# Altium PCB Pi4GPU_v1.PcbDoc (part 2 of 4)
Units mm, origin at the board's own origin, x right, y up, seen from the top; angles counter-clockwise.
Board outline 161.8 x 100 mm, 4 copper layers (L1 [TOP], L2, L3, L4 [BOT]), stack 1.548 mm thick; 285 components, 169 nets, 1067 pads, 1076 vias.
Unrouted connection lines stored in the file: 241.
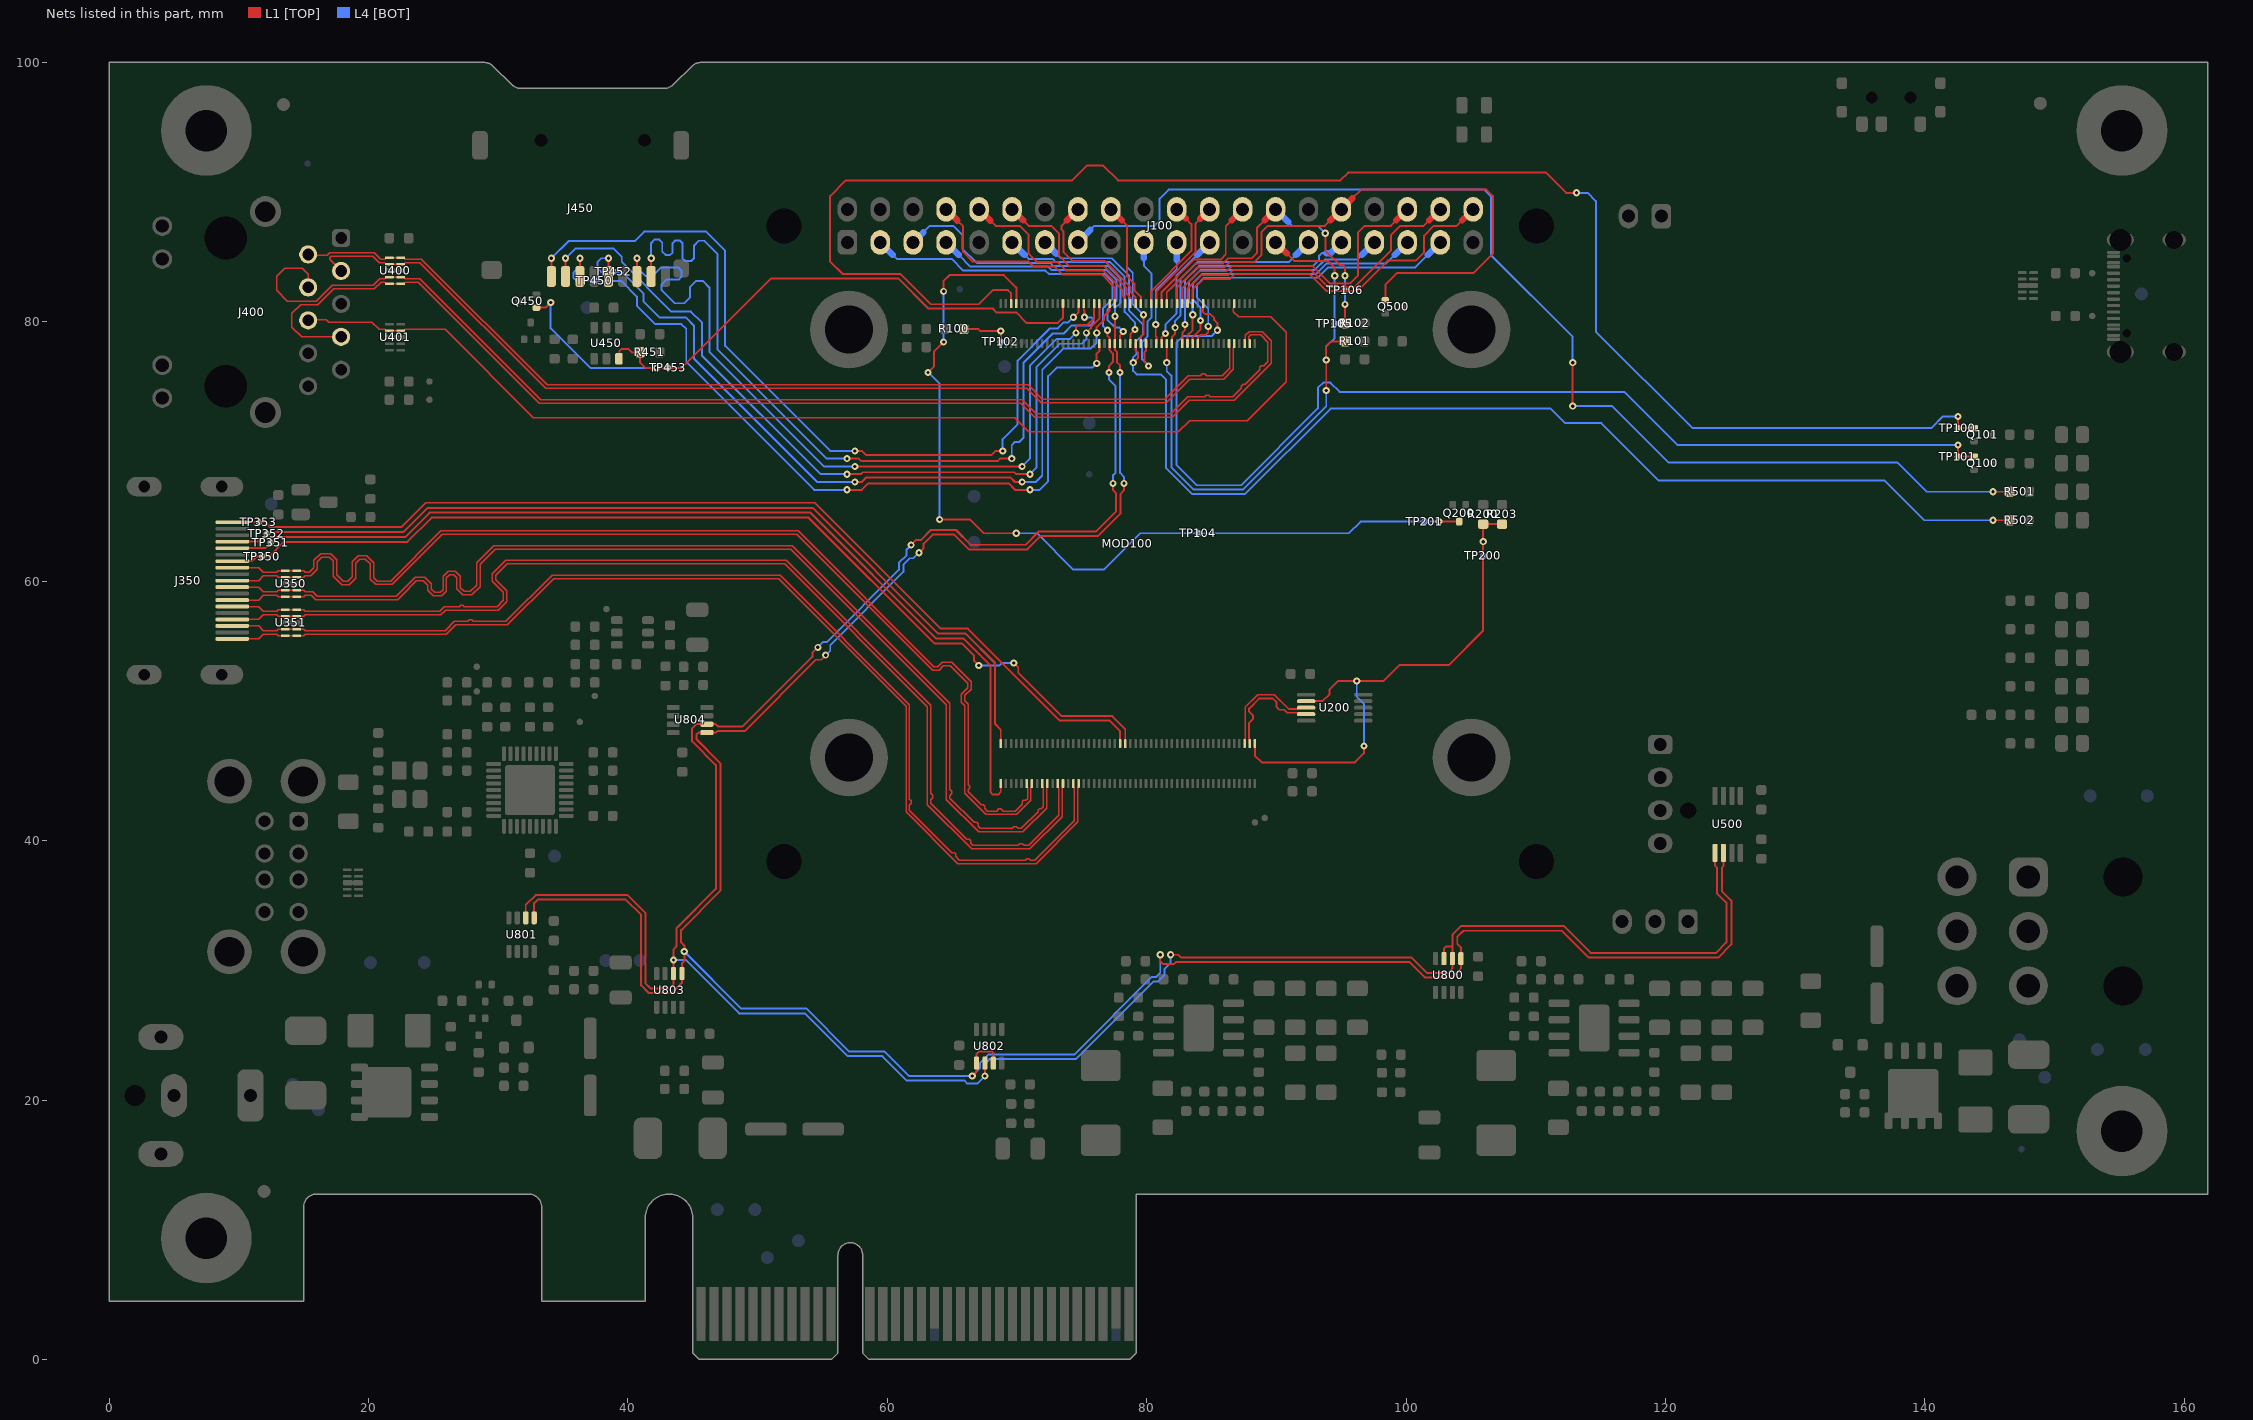
[diagram p4: the nets of this part, all layers, seen from the top]

## Part data
C100 C264 C265 C268: library part CAP-0018, "Capacitor; MLCC; DNP; TBD; TBD; TBD; DO NOT PLACE; SMD; 0603 (1608);", Package (Case)="0603 (1608)", Component Subtype=MLCC, Component Type=Capacitor, Manufacturer=DNP, Mounting Type=SMD, MPN=DNP, Supplier=?
C200 C257 C258 C259 C260 C262 C263 C350 C351 C400 C500 C700 C702 C750 C760 C766 C776 C802 C803 C806 C807 C809: library part CAP-0008, "Capacitor; MLCC; 100nF; TBD; TBD; TBD; TBD; SMD; 0603 (1608);", Manufacturer=TBD, Package (Case)="0603 (1608)", Component Subtype=MLCC, Component Type=Capacitor, Mounting Type=SMD, MPN=TBD, Supplier=?
C250 C252 C253 C254 C255 C256 C261 C450 C451 C755 C756 C757 C758 C771 C772 C773 C774: library part CAP-0023, "Capacitor; MLCC; GENERIC; TBD; TBD; TBD; TBD; SMD; 0603 (1608);", Manufacturer=GENERIC, Package (Case)="0603 (1608)", Component Subtype=MLCC, Component Type=Capacitor, Mounting Type=SMD, MPN=GENERIC, Supplier=?
C251 C703 C751 C752 C753 C759 C761 C762 C763 C767 C768 C769 C775 C777 C778 C779: library part CAP-0025, "Capacitor; MLCC; GENERIC; TBD; TBD; TBD; TBD; SMD; 1206 (3216);", Manufacturer=GENERIC, Package (Case)="1206 (3216)", Component Subtype=MLCC, Component Type=Capacitor, Mounting Type=SMD, MPN=GENERIC, Supplier=?
C266 C267: library part CAP-0020, "Capacitor; MLCC; 18pF; TBD; TBD; TBD; TBD; SMD; 0603 (1608);", Manufacturer=TBD, Package (Case)="0603 (1608)", Component Subtype=MLCC, Component Type=Capacitor, Mounting Type=SMD, MPN=TBD, Supplier=?
C701 C704 C705: library part CAP_POL_2P_NP, "Capacitor; Polarized;", Manufacturer=Panasonic, MPN=EEEFTE221XAP, Package (Case)="SMD SIZE D8", Component Subtype=Electrolytic, Component Type=Capacitor, Mounting Type=SMD
C754 C764 C765 C770 C780 C781 C800 C801 C804 C805 C808: library part CAP-0023, "Capacitor; MLCC; GENERIC; TBD; TBD; TBD; TBD; SMD; 0603 (1608);", Dielectric=TBD, Manufacturer=GENERIC, Package (Case)="0603 (1608)", Component Body=TBD, Component Height=TBD, Component Subtype=MLCC, Component Type=Capacitor, Features=TBD, ID=CAP-0023, Mounting Type=SMD, Operating Temperature=TBD, Packaging Type=TBD, ROHS Status=TBD, Tolerance=TBD, Voltage Rating=TBD
  C754 C764 C770 C780: Capacitance=DNP, MPN=GENERIC
  C765 C781: Capacitance=1.2nF, MPN=GENERIC
  C800 C801 C804 C805 C808: Capacitance=DNP, MPN=DNP
D700 D702: library part DIO_ZEN_A_K, "Diode; Zener;", Manufacturer="ON Semi", MPN=MMBZ5242BLT3G
D701 D703: library part DIO_TVS_UNI_KA, "Diode; Schottky; Unipolar;", Manufacturer=Littelfuse, Component Subtype="TVS Diode", Component Type=Diode, Mounting Type=SMD, MPN=SMAJ12A, Supplier=?
F250: library part FIL-0001, "Inductor; Ferrite Bead; 120 Ohm; 2000mA; TBD; TBD; TBD; SMD; 0603 (1608);", Manufacturer=TBD, Package (Case)="0603 (1608)", Component Subtype="Ferrite Bead", Component Type=Inductor, Mounting Type=SMD, MPN=TBD, Supplier=?
FID900 FID901 FID902 FID903 FID904 FID905: library part PCB_FID_RND, "PCB Marking; Fiducial; Round;", Component Subtype=-, Component Type=Fiducial, Mounting Type=-, Supplier=?
FUS700 FUS701 FUS702: library part FUS, "Fuse", Manufacturer="Bel Fuse", MPN=0679L9100-01
J100: library part CON_2X20_ROW, "Connector; 2 Row;", Manufacturer=GENERIC, Component Subtype="Pin Header", Component Type=Connector, Mounting Type=THT, MPN=GENERIC, Supplier=?
J101 J102: library part BOM_CON, "BOM list; Connector;", Manufacturer=Hirose, MPN=DF40HC(3.0)-100DS-0.4V, Package (Case)=SMD, Component Subtype=Microminiature, Component Type=Connector, Mounting Type=SMD, Supplier=?
J200: library part CON_USB_TYPE_C_16P, "Connector; USB 3.1 Type C; Receptacle; 24-pin; USB 2.0 Only;", Manufacturer="XKB Connectivity", Package (Case)=SMD, Component Subtype=USB-C, Component Type=Connector, Mounting Type=SMD, MPN=U262-161N-4BVC11, Supplier=?
J250: library part CON-0009, "Connector; USB Type A (Dual); 2 x 4 pins; TBD; TBD; TBD; TBD; THT; THT;", Manufacturer=TBD, Package (Case)=THT, Component Subtype="USB Type A (Dual)", Component Type=Connector, Mounting Type=THT, MPN=TBD, Supplier=?
J300: library part CON_PCIE_64P_VAR2, "Connector; PCIE, x4 (64pin)", Manufacturer=N/A, MPN=N/A
J350: library part CON_HDMI_1.4+_A2, "Connector; HDMI v1.4+;", Manufacturer=BOOMELE, MPN=HDMI-001, Package (Case)=SMD, Component Subtype="HDMI (Type A)", Component Type=Connector, Mounting Type=SMD, Supplier=?
J400: library part CON_HAN_HY911130A, "Connector; RJ45;", Manufacturer=HanRun, Component Subtype=RJ45, Component Type=Connector, Mounting Type=THT, MPN=HY911130A, Supplier=?
J450: library part CON_GCT_MEM2055, "Connector; MicroSD Card Connector;", Manufacturer=TF-015, Package (Case)=SMD, Component Subtype="MicroSD Card", Component Type="Card Socket", Mounting Type=SMD, MPN=TF-015, Supplier=?
J500: library part CON-0020, "Connector; Pin Header; 1 x 2 pins; 2.54mm; Male; TBD; TBD; THT; THT;", Manufacturer=GENERIC, Package (Case)=THT, Component Subtype="Pin Header", Component Type=Connector, Mounting Type=THT, MPN=GENERIC, Supplier=?
J501: library part CON_1X04_COL, "Connector; 1 Row;", Manufacturer=Molex, MPN=470531000, Package (Case)=THT, Component Subtype="Pin header", Component Type=Connector, Mounting Type=THT
J502: library part CON_1X03_COL, "Connector; 1 Row;", Manufacturer=GENERIC, Package (Case)=THT, Component Subtype="Pin Header", Component Type=Connector, Mounting Type=THT, MPN=GENERIC, Supplier=?
J700: library part CON_DC_A1_SH, "Connector; DC Barrel Jack;", Manufacturer="CUI Devices", MPN=PJ-063AH, Package (Case)=THT, Supplier Part Number 1=490-PJ-063AH, Component Subtype="DC Barrel Jack", Component Type=Connector, Mounting Type=THT, Supplier 1=Mouser
J701: library part CON_2X03_COL, "Connector; 2 Row;", Manufacturer=Molex, Package (Case)=THT, Supplier Part Number 1=538-39-30-1060, Component Subtype="Wire to Board", Component Type=Connector, Mounting Type=THT, MPN=039-30-1060, Supplier 1=Mouser
L750 L751: library part IND, "Inductor;", Manufacturer="Changjiang Microelectronics Tech", MPN=FXL0624-3R3-M, Package (Case)=SMD, Component Subtype="Power Inductor", Component Type=Inductor, Mounting Type=SMD, Supplier=?
LED100 LED500 LED700 LED701 LED702 LED703 LED750 LED751: library part DIO_LED_GRN, "Diode; LED; Green;", Manufacturer="Foshan NationStar Optoelectronics", MPN=NCD0805G1, Package (Case)="0805 (2012)", Component Subtype="LED Diode", Component Type=LED, Mounting Type=SMD, Supplier=LCSC
LED101 LED501: library part DIO_LED_RED, "Diode; LED; Red;", Manufacturer="Foshan NationStar Optoelectronics", MPN=NCD0805R1, Package (Case)="0805 (2012)", Component Subtype="LED Diode", Component Type=LED, Mounting Type=SMD, Supplier=LCSC
MECH900 MECH901 MECH902 MECH903: library part PCB_MECH_WRT_WA-SMSI, "PCB; Mechanical; SMT Steel Spacer; M2.5;", Manufacturer="Wurth Elektronik", MPN="977 403 015 1", Package (Case)=SMD, Component Subtype="SMD Spacer", Component Type="Spacer (Standoff)", Mounting Type=SMD, Supplier="Wurth Elektronik"
MH900 MH901 MH902 MH903 MH904 MH905 MH906 MH907: library part PCB_MECH_MH, "PCB Marking; Mounting hole;", Component Subtype=-, Component Type="Mounting Hole", Mounting Type=-, Supplier=?
MOD100: library part MOD_RPI_CM4_VAR2, "PCB Module; RPi Compute Module 4;", Manufacturer="Raspberry Pi Foundation", MPN="CM4 Module", Component Subtype="Raspberry Pi CM4", Component Type="PCB Module", Mounting Type=-, Supplier=?
Q100 Q101 Q451: library part TRA_BJT_PNP_DIG_ONS_DTA143ZE, "Transistor; BJT; PNP; Digital (Biased);", Manufacturer="On Semiconductor", MPN=DTA143ZET1G, Component Type=Transistor, Mounting Type=SMD
Q200 Q450 Q500 Q701 Q702: library part TRA_BJT_NPN_DIG_BEC, "Transistor; BJT; NPN; Digital;", Component Subtype="NPN Transistor", Component Type=Transistor, Mounting Type=SMD, MPN=DTC143ZE, Supplier=?
Q700 Q703: library part TRA_PMOS_SSSGDDDD_EP, "Transistor; PMOS;", Manufacturer=Vishay, MPN=SI7149ADP-T1-GE3, Package (Case)=PowerPAK-SO-8, Supplier Part Number 1=78-SI7149ADP-T1-GE3, Component Subtype=P-MOSFET, Component Type=Transistor, Mounting Type=SMD, Supplier 1=Mouser
R100 R258: library part RES-0026, "Resistor; Thick Film; 100R; 1%; 100mW; 100PPM; 75V; Standard; SMD; 0603 (1608);", Manufacturer="Yageo Corporation", MPN=TBD, Package (Case)="0603 (1608)", Component Subtype="Thick Film", Component Type=Resistor, Mounting Type=SMD, Supplier=?
R101 R102 R104 R106 R502: library part RES-0033, "Resistor; Thick Film; 2k2; 1%; 100mW; 100PPM; 75V; Standard; SMD; 0603 (1608);", Manufacturer="Yageo Corporation", MPN=TBD, Package (Case)="0603 (1608)", Component Subtype="Thick Film", Component Type=Resistor, Mounting Type=SMD, Supplier=?
R103 R203 R252 R253 R254 R255 R451: library part RES-0028, "Resistor; Thick Film; 10k; 1%; 100mW; 100PPM; 75V; Standard; SMD; 0603 (1608);", Manufacturer="Yageo Corporation", MPN=RC0603FR-0710KL, Package (Case)="0603 (1608)", Component Subtype="Thick Film", Component Type=Resistor, Mounting Type=SMD, Supplier=?
R105 R501 R703 R709 R751 R756 R758: library part RES-0043, "Resistor; Thick Film; 15k; 1%; 100mW; 100PPM; 75V; Standard; SMD; 0603 (1608);", Manufacturer="Yageo Corporation", MPN=TBD, Package (Case)="0603 (1608)", Component Subtype="Thick Film", Component Type=Resistor, Mounting Type=SMD, Supplier=?
R200: library part RES-0027, "Resistor; Thick Film; 1k; 1%; 100mW; 100PPM; 75V; Standard; SMD; 0603 (1608);", Manufacturer="Yageo Corporation", MPN=TBD, Package (Case)="0603 (1608)", Component Subtype="Thick Film", Component Type=Resistor, Mounting Type=SMD, Supplier=?
R201 R202 R704 R708: library part RES-0043, "Resistor; Thick Film; 5k1; 1%; 100mW; 100PPM; 75V; Standard; SMD; 0603 (1608);", Manufacturer="Yageo Corporation", MPN=TBD, Package (Case)="0603 (1608)", Component Subtype="Thick Film", Component Type=Resistor, Mounting Type=SMD, Supplier=?
R250 R300 R301 R350 R450 R452 R500 R503: library part RES-0054, "Resistor; Thick Film; GENERIC; TBD; TBD; TBD; TBD; TBD; SMD; 0603 (1608);", Manufacturer=GENERIC, Package (Case)="0603 (1608)", Component Subtype="Thick Film", Component Type=Resistor, Mounting Type=SMD, MPN=GENERIC, Supplier=?
R251: library part RES-0053, "Resistor; Thick Film; 12k; 1%; 100mW; 100PPM; 75V; Standard; SMD; 0603 (1608);", Manufacturer="Yageo Corporation", MPN=TBD, Package (Case)="0603 (1608)", Component Subtype="Thick Film", Component Type=Resistor, Mounting Type=SMD, Supplier=?
R256: library part RES-0050, "Resistor; Thick Film; 1M; 1%; 100mW; 100PPM; 75V; Standard; SMD; 0603 (1608);", Manufacturer="Yageo Corporation", MPN=TBD, Package (Case)="0603 (1608)", Component Subtype="Thick Film", Component Type=Resistor, Mounting Type=SMD, Supplier=?
R257: library part RES-0051, "Resistor; Thick Film; DNP; TBD; TBD; TBD; TBD; DO NOT PLACE; SMD; 0603 (1608);", Manufacturer=TBD, Package (Case)="0603 (1608)", Component Subtype="Thick Film", Component Type=Resistor, Mounting Type=SMD, MPN=TBD, Supplier=?
R400 R401: library part RES-0042, "Resistor; Thick Film; 470R; 1%; 100mW; 100PPM; 75V; Standard; SMD; 0603 (1608);", Manufacturer="Yageo Corporation", MPN=TBD, Package (Case)="0603 (1608)", Component Subtype="Thick Film", Component Type=Resistor, Mounting Type=SMD, Supplier=?
R700 R701 R702 R706 R707: library part RES-0029, "Resistor; Thick Film; 100k; 1%; 100mW; 100PPM; 75V; Standard; SMD; 0603 (1608);", Manufacturer="Yageo Corporation", MPN=TBD, Operating Temperature="-55°C to +155°C", Package (Case)="0603 (1608)", Power Rating=100mW, Tolerance=1%, Voltage Rating=75V, Component Body="1.60 x 0.80mm", Component Height=0.45mm, Component Subtype="Thick Film", Component Type=Resistor, Features=Standard, ID=RES-0029, Mounting Type=SMD, Packaging Type="Tape & Reel", Resistance=100k, ROHS Status="RoHS Compliant", TCR=100PPM
R705 R802 R803 R804 R805 R808 R809 R810 R811 R813 R814: library part RES-0052, "Resistor; Thick Film; 0R; 1%; TBD; TBD; TBD; Standard; SMD; 0603 (1608);", Manufacturer=TBD, Package (Case)="0603 (1608)", Tolerance=1%, Component Body="1.60 x 0.80mm", Component Height=0.45mm, Component Subtype="Thick Film", Component Type=Resistor, Features=Standard, ID=RES-0052, Mounting Type=SMD, MPN=TBD, Operating Temperature=TBD, Packaging Type=TBD, Power Rating=TBD, Resistance=0R, ROHS Status=TBD, TCR=TBD, Voltage Rating=TBD
R750 R755: library part RES-0025, "Resistor; Thick Film; 10R; 1%; 100mW; 100PPM; 75V; Standard; SMD; 0603 (1608);", Manufacturer="Yageo Corporation", MPN=TBD, Operating Temperature="-55°C to +155°C", Package (Case)="0603 (1608)", Power Rating=100mW, Tolerance=1%, Voltage Rating=75V, Component Body="1.60 x 0.80mm", Component Height=0.45mm, Component Subtype="Thick Film", Component Type=Resistor, Features=Standard, ID=RES-0025, Mounting Type=SMD, Packaging Type="Tape & Reel", Resistance=10R, ROHS Status="RoHS Compliant", TCR=100PPM
R752: library part RES-0044, "Resistor; Thick Film; 47k; 1%; 100mW; 100PPM; 75V; Standard; SMD; 0603 (1608);", Manufacturer="Yageo Corporation", MPN=RC0603FR-0747KL, Operating Temperature="-55°C to +155°C", Package (Case)="0603 (1608)", Power Rating=100mW, Tolerance=1%, Voltage Rating=75V, Component Body="1.60 x 0.80mm", Component Height=0.45mm, Component Subtype="Thick Film", Component Type=Resistor, Features=Standard, ID=RES-0044, Mounting Type=SMD, Packaging Type="Tape & Reel", Resistance=47k, ROHS Status="RoHS Compliant", TCR=100PPM
R753 R757: library part RES-0053, "Resistor; Thick Film; 12k; 1%; 100mW; 100PPM; 75V; Standard; SMD; 0603 (1608);", Manufacturer="Yageo Corporation", MPN=TBD, Operating Temperature="-55°C to +155°C", Package (Case)="0603 (1608)", Power Rating=100mW, Tolerance=1%, Voltage Rating=75V, Component Body="1.60 x 0.80mm", Component Height=0.45mm, Component Subtype="Thick Film", Component Type=Resistor, Features=Standard, ID=RES-0053, Mounting Type=SMD, Packaging Type="Tape & Reel", Resistance=12k, ROHS Status="RoHS Compliant", TCR=100PPM
R754 R759: library part RES-0054, "Resistor; Thick Film; GENERIC; TBD; TBD; TBD; TBD; TBD; SMD; 0603 (1608);", Manufacturer=GENERIC, Operating Temperature=TBD, Package (Case)="0603 (1608)", Component Body="1.60 x 0.80mm", Component Height=TBD, Component Subtype="Thick Film", Component Type=Resistor, Features=TBD, ID=RES-0054, Mounting Type=SMD, MPN=GENERIC, Packaging Type=TBD, Power Rating=TBD, ROHS Status=TBD, TCR=TBD, Tolerance=TBD, Voltage Rating=TBD
  R754: Resistance=15k
  R759: Resistance=20k
R760: library part RES-0033, "Resistor; Thick Film; 2k26; 1%; 100mW; 100PPM; 75V; Standard; SMD; 0603 (1608);", Manufacturer="Yageo Corporation", MPN=TBD, Operating Temperature="-55°C to +155°C", Package (Case)="0603 (1608)", Power Rating=100mW, Tolerance=1%, Voltage Rating=75V, Component Body="1.60 x 0.80mm", Component Height=0.45mm, Component Subtype="Thick Film", Component Type=Resistor, Features=Standard, ID=RES-0033, Mounting Type=SMD, Packaging Type="Tape & Reel", Resistance=2k26, ROHS Status="RoHS Compliant", TCR=100PPM
R800 R801 R806 R807 R812: library part RES-0060, "Resistor; Thick Film; GENERIC; TBD; TBD; TBD; TBD; TBD; SMD; 2512 (6432);", Manufacturer=GENERIC, Operating Temperature=TBD, Package (Case)="2512 (6432)", Tolerance=1%, Component Body=TBD, Component Height=TBD, Component Subtype="Thick Film", Component Type=Resistor, Features=TBD, ID=RES-0060, Mounting Type=SMD, MPN=GENERIC, Packaging Type=TBD, Power Rating=TBD, ROHS Status=TBD, TCR=TBD, Voltage Rating=TBD
  R800 R806 R812: Resistance=0.012R
  R801: Resistance=0.016R
  R807: Resistance=0.004R
R900 R901: library part RES-0047, "Resistor; Thick Film; 0R; 1%; TBD; TBD; TBD; Standard; SMD; 0805 (2012);", Manufacturer=TBD, Package (Case)="0805 (2012)", Tolerance=1%, Component Body=TBD, Component Height=TBD, Component Subtype="Thick Film", Component Type=Resistor, Features=Standard, ID=RES-0047, Mounting Type=SMD, MPN=TBD, Operating Temperature=TBD, Packaging Type=TBD, Power Rating=TBD, Resistance=0R, ROHS Status=TBD, TCR=TBD, Voltage Rating=TBD
SW200: library part SWI_SPDT_3P_SH1, "Switch; SPDT;", Manufacturer="XKB Connectivity", MPN=SS-3292S-L1, Package (Case)=SMD, Component Subtype=Slide, Component Type=Switch, Mounting Type=SMD, Supplier=LCSC
TP100 TP101 TP102 TP103 TP104 TP105 TP106 TP107 TP108 TP109 TP110 TP111 TP200 TP201 TP202 TP203 TP250 TP251 TP252 TP253 TP300 TP301 TP350 TP351 TP352 TP353 TP400 TP401 TP450 TP452 TP453: library part PCB_TP_DBG, "PCB Marking; Test Point (Debug);", Component Subtype=-, Component Type=Testpoint, Mounting Type=-, Supplier=?
TP112 TP113 TP204 TP254 TP354 TP451 TP700 TP701 TP702 TP703 TP704 TP705 TP706 TP707 TP708 TP709 TP710 TP711 TP750 TP751 TP752 TP753 TP754 TP755: library part PCB_TP_ICT, "Test Point (ICT)", Manufacturer=-, Component Type="Testpoint (for ICT)", Mounting Type="Non component", MPN=-, Specification="Testpoint (for ICT), SMD pad"
U200: library part ICC-0013, "IC; USB Switch; TBD TBD; SMD; MSOP-10;", Manufacturer="ON Semiconductor", MPN=FSUSB42MUX, Package (Case)=MSOP-10, Component Subtype="USB Switch", Component Type=IC, Mounting Type=SMD, Supplier=?
U201 U252 U350 U351 U400 U401: library part ICC-0005, "IC; TVS Arrays; ESD Protection; 4-Channel; 17kV Air; 12kV Contact; 0.3pF Capitance; TBD; SMD; TBD;", Manufacturer="Semtech Corporation", MPN=RCLAMP0524PATCT, Package (Case)=TBD, Component Subtype="TVS Arrays", Component Type=IC, Mounting Type=SMD, Supplier=?
U250 U450: library part ICC_TXI_TPS25221_DBV, "IC; Current Limited Switch;", Manufacturer="Diodes Incorporated", Package (Case)=SOT26, Component Subtype="Current Limited Switch", Component Type=IC, Mounting Type=SMD, MPN=AP2553W6-7, Supplier=?
U251: library part ICC_MCP_USB2512B_QFN36, "IC; USB Hub;", Manufacturer="Microchip Technology", Component Subtype="USB Hub", Component Type=IC, Mounting Type=SMD, MPN=USB2512B, Supplier=?
U352: library part ICC-0008, "IC; Power Switcher; TBD TBD; SMD; SC59;", Manufacturer="Diodes Incorporated", MPN=AP2331W-7, Package (Case)=SC59, Component Subtype="Power Switcher", Component Type=IC, Mounting Type=SMD, Supplier=?
U500: library part ICC_MCP_EMC2301_MSOP-8, "IC; Fan controller;", Manufacturer="Microchip Technology", MPN=EMC2301-1-ACZL-TR, Package (Case)=MSOP-8, Component Subtype="Fan controller", Component Type=IC, Mounting Type=SMD
U750 U751: library part ICC_DDI_AP64501_SO8_EP, "IC; Buck regulator;", Manufacturer="Diodes Incorporated", Operating Temperature="-40°C to +85°C", Package=SOIC8, Component Type=IC, Mounting Type=SMD, MPN=AP64501SP-13, Specification="Synchronous step-down DC-DC converter, 3.8V to 40V input, 5A, 570kHz, SOIC8 package"
U800 U801 U802 U803 U804: library part ICC_TXI_INA219_SOT23-8, "IC; Current Monitor;", Manufacturer="Texas Instruments", Operating Temperature="-40°C to +85°C", Package=SOT-23-8, Component Subtype="Current monitor", Component Type=IC, Mounting Type=SMD, MPN=INA219AIDCNR, Specification="Bidirectional Current/Power Monitor, I2C, SOT-23-8 package"
X250: library part OSC_XTL_P4, "Oscillator; Crystal;", Component Subtype=Crystal, Component Type=Crystal, Mounting Type=SMD, Supplier=?
PCB900: Component Subtype=-, Component Type="PCB Marking", Mounting Type=-, Supplier=?

## Via types
v1: diameter 0.55, hole 0.25, L1 [TOP] to L4 [BOT], 764 vias
v2: diameter 0.65, hole 0.3, L1 [TOP] to L4 [BOT], 174 vias
v3: diameter 0.5, hole 0.2, L1 [TOP] to L4 [BOT], 138 vias
